# Altium PCB LED_12T-V1.2.PcbDoc
Units mm, origin at the board's own origin, x right, y up, seen from the top; angles counter-clockwise.
Board outline 152.4 x 101.6 mm, 2 copper layers (Top Layer, Bottom Layer); 37 components, 23 nets, 103 pads, 59 vias.
Unrouted connection lines stored in the file: 1.
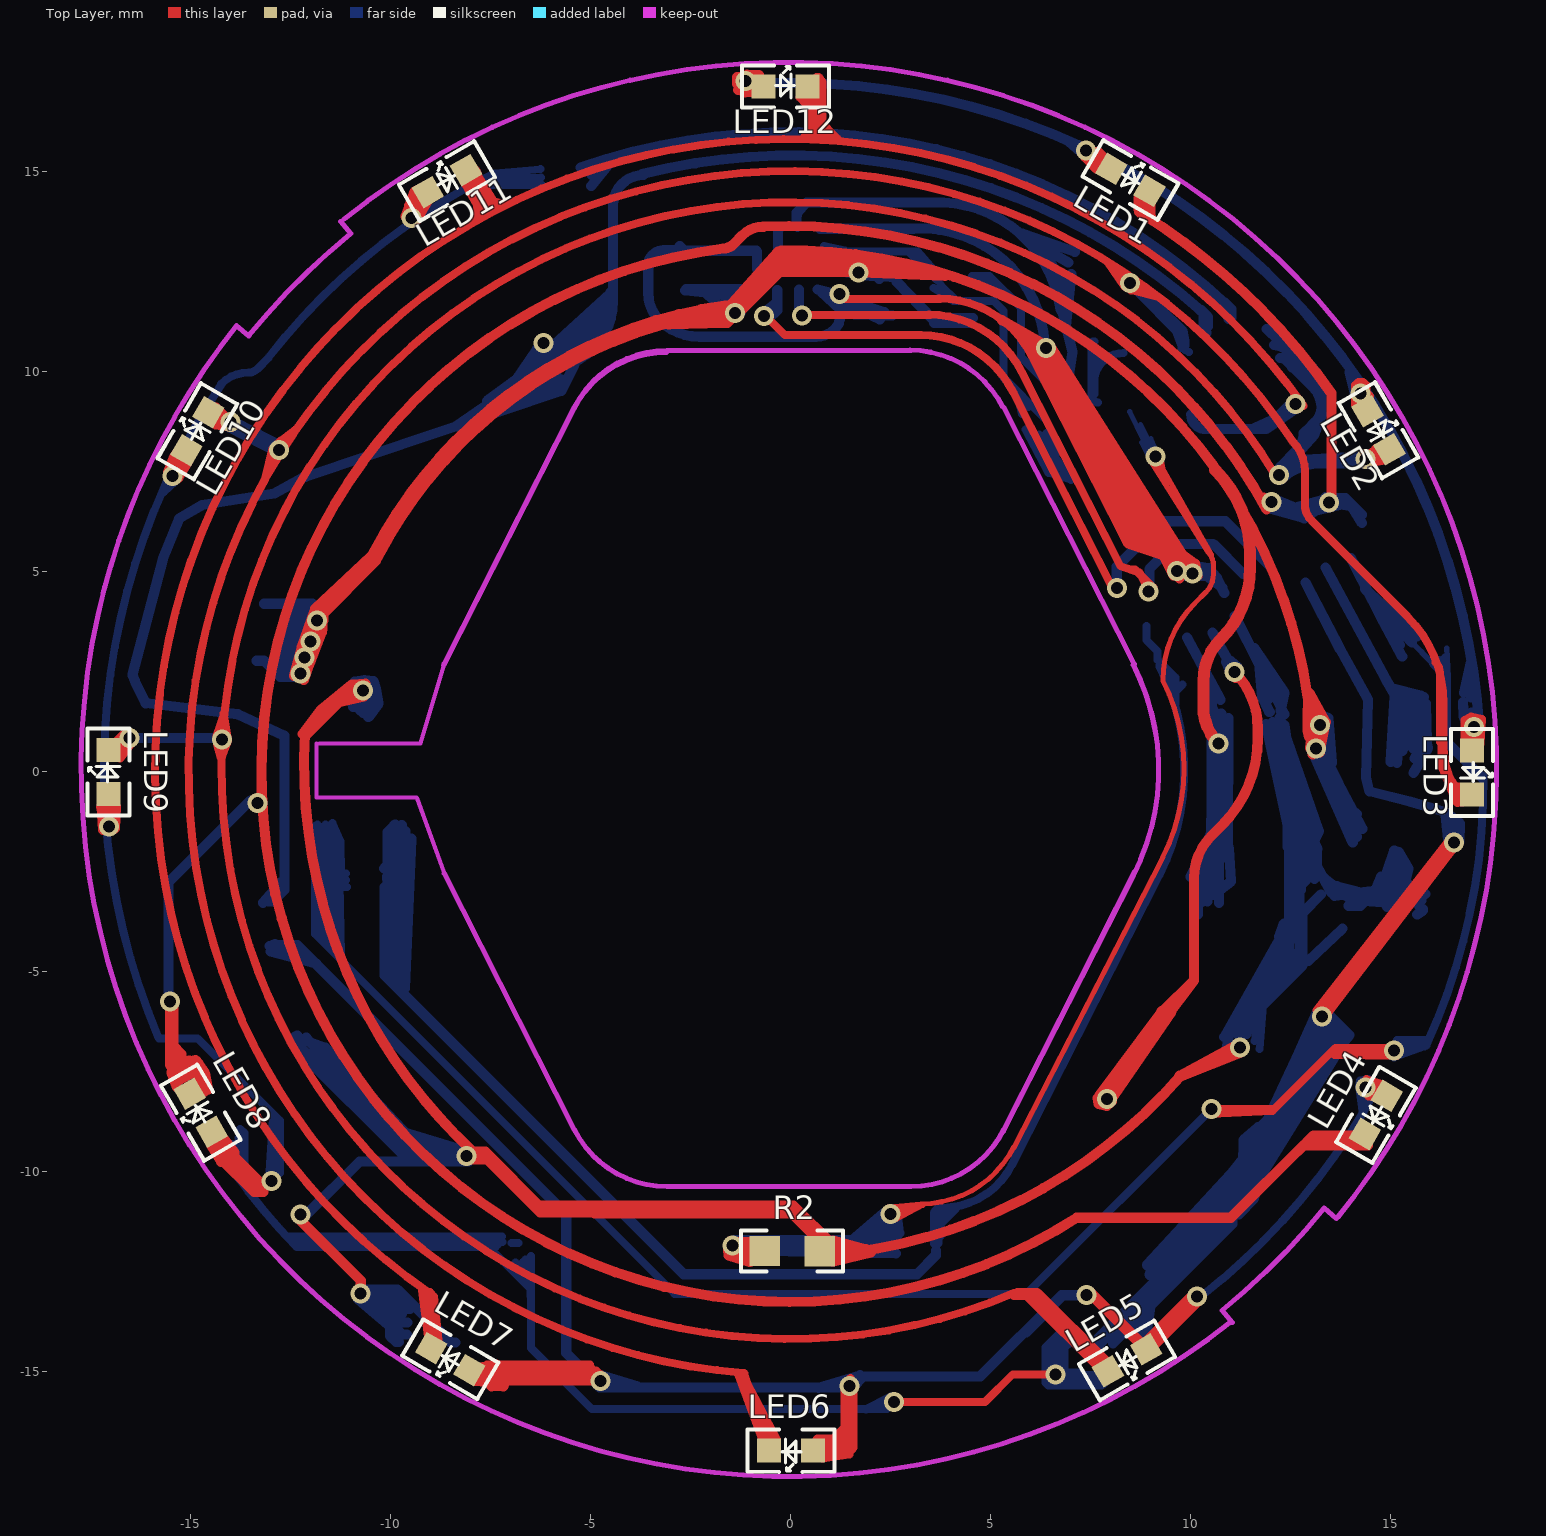
[diagram p0: Top Layer view]
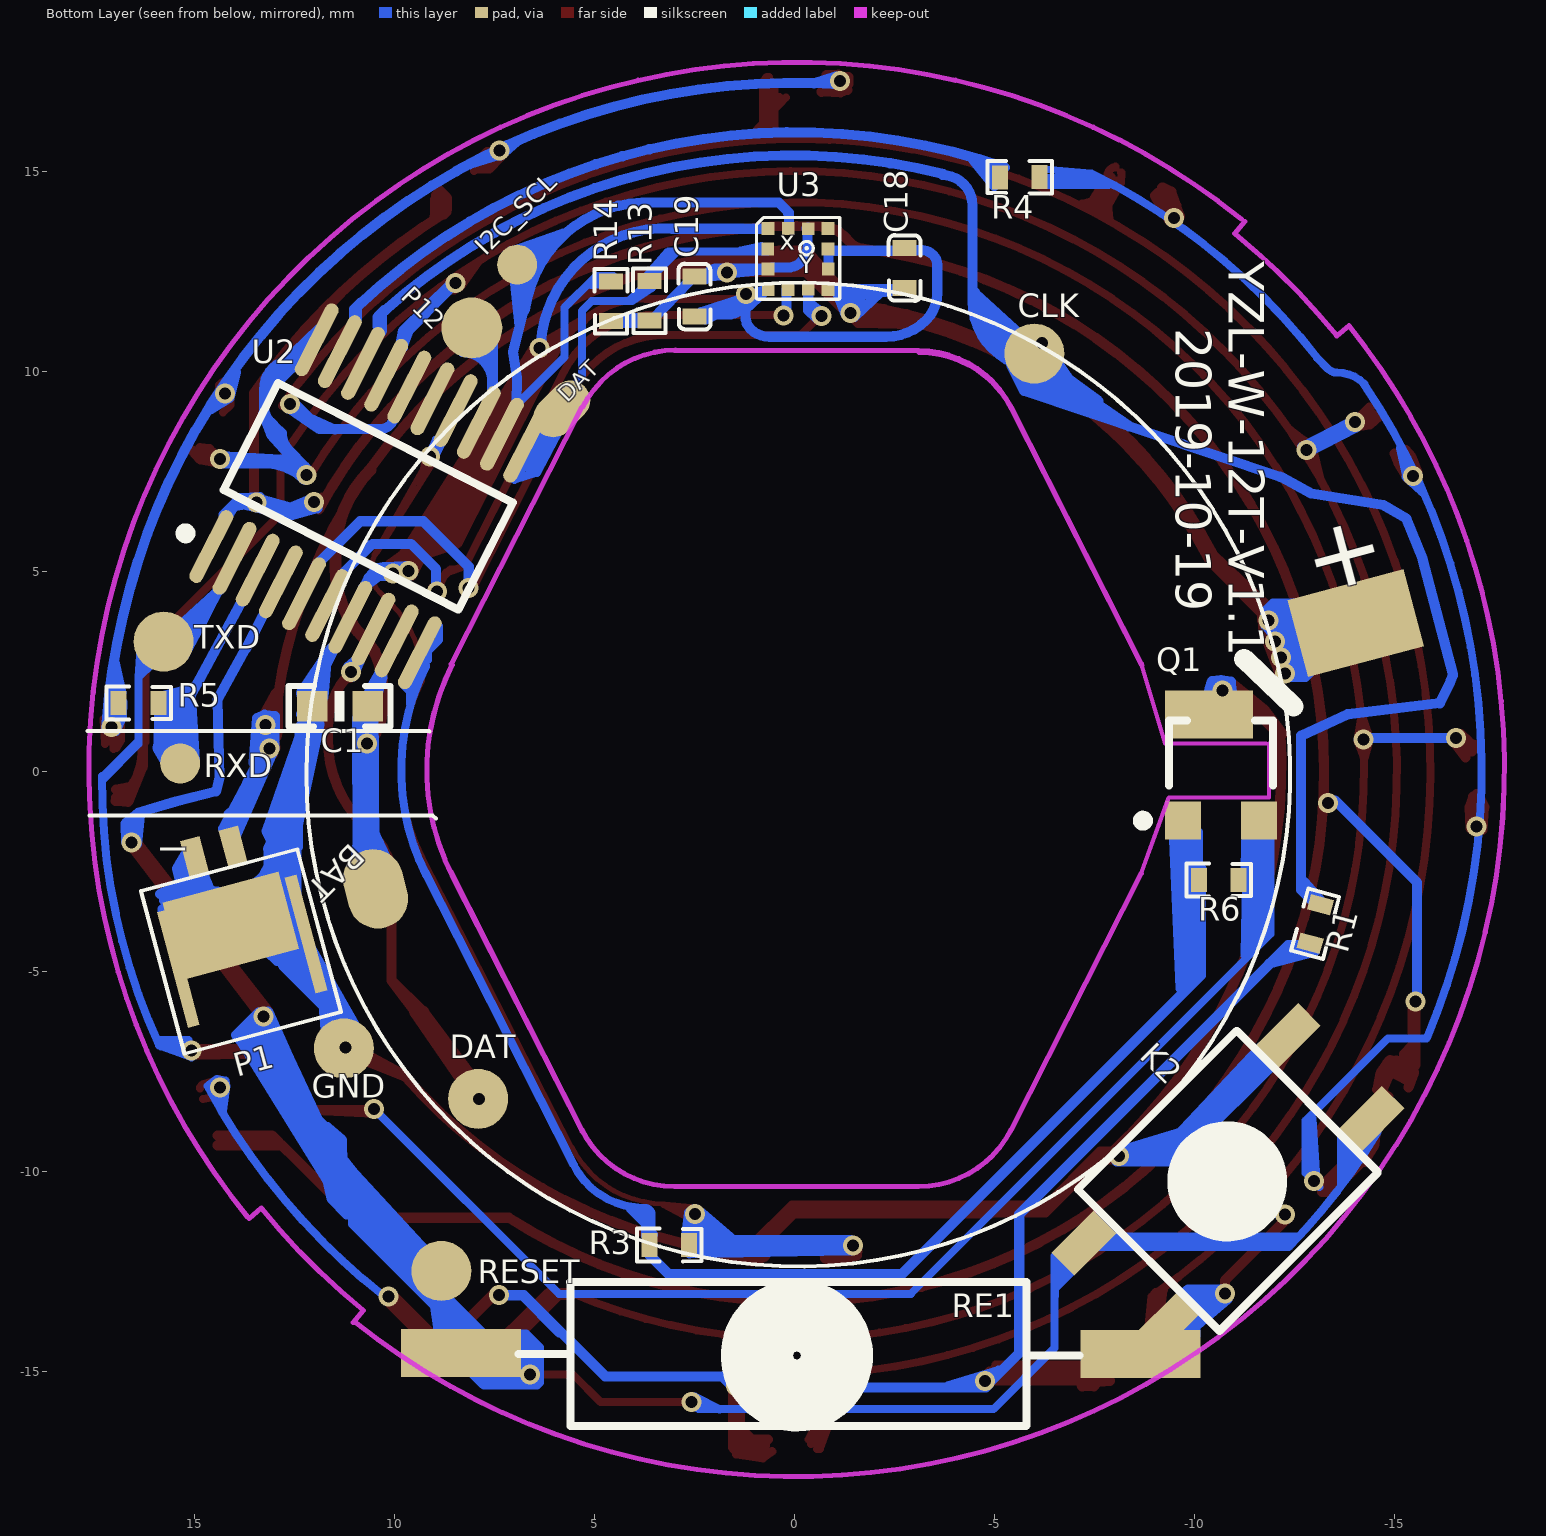
[diagram p1: Bottom Layer view, seen from below]

## Layer stack, top to bottom
Top Layer: signal copper 0.0356
Dielectric: dielectric 0.32, FR-4, Dk 4.8
Bottom Layer: signal copper 0.0356

## Board outline
-242.373,-165.35 -89.973,-165.35 -89.973,-63.75 -242.373,-63.75

## Design rules (kind name [scope] priority, off if disabled: settings)
Clearance [All] p1: gap=0.127
PolygonConnect [All] p1: connectstyle=Relief reliefconductorwidth=0.254 reliefentries=4 polygonreliefangle="90 Angle"
RoutingVias [All] p1: holewidth=0.3 width=0.5 viastyle="Through Hole" minholewidth=0.3 minwidth=0.5 maxholewidth=0.3 maxwidth=0.5
SilkscreenOverComponentPads [All] p1: minsilkscreentomaskgap=0.254
SolderMaskExpansion [All] p1: expansion=0.102
Width [All] p1: maxlimit=0.5 minlimit=0.127 preferedwidth=0.254
27 further rules are at their usual default settings.

## Components (designator, comment, footprint, x,y, rotation, side; value= is the part's Value field where it differs from the comment)
BAT "测试点" 测试点#1 10.514,-2.959 r315 bottom (schematic designator 3V3)
C1 "104" 0603P 11.376,1.641 r180 bottom
C18 "104" 0402_C -2.741,12.617 r90 bottom
C19 "104" 0402_C 2.492,11.865 r270 bottom
CLK "测试点" 测试点#2 -6.044,10.459 r180 bottom
DAT "测试点" 测试点#2 7.86,-8.173 r180 bottom
GND "测试点" 测试点#2 11.22,-6.909 r180 bottom
K2 "SW-02" 四向滚珠开关 -10.826,-10.214 r135 bottom
LED1 "LED" 0402_LED 8.498,14.779 r330 top
LED2 "LED" 0402_LED 14.689,8.52 r300 top
LED3 "LED" 0402_LED 17.02,-0.034 r270 top
LED4 "LED" 0402_LED 14.606,-8.584 r240 top
LED5 "LED" 0402_LED 8.382,-14.71 r210 top
LED6 "LED" 0402_LED -0.017,-16.957 r180 top
LED7 "LED" 0402_LED -8.525,-14.661 r150 top
LED8 "LED" 0402_LED -14.752,-8.496 r120 top
LED9 "LED" 0402_LED -17.047,0.017 r90 top
LED10 "LED" 0402_LED -14.817,8.526 r60 top
LED11 "LED" 0402_LED -8.575,14.768 r30 top
LED12 "LED" 0402_LED -0.116,17.123 r0 top (schematic designator LED11)
P1 "BAT" SH1.0-2P 14.996,-2.148 r165 bottom
P5 "BAT" CR2450 -0.013,-0.079 r165 bottom locked
Q1 "2N3904" SOT-23 -9.732,-1.209 r180 bottom locked
R1 "1K" 0402_R#1 -13.054,-3.783 r105 bottom
R2 "1K" 0603_R -0.036,-11.995 r0 top
R3 "100K" 0402_R#2 3.072,-11.842 r180 bottom
R4 "1K" 0402_R#1 -5.606,14.899 r0 bottom
R5 "1K" 0402_R#1 16.376,1.694 r180 bottom
R6 "1M" 0402_R#2 -10.665,-2.714 r180 bottom
R13 "4.7K" 0402_R#2 3.641,11.717 r270 bottom
R14 "4.7K" 0402_R#2 4.603,11.708 r270 bottom
RE1 "KEY_M" 滚珠开关12*3.6 -0.1,-14.566 r180 bottom
RESET "测试点" 测试点#2 8.781,-12.475 r180 bottom
RXD "测试点" 测试点#3 15.311,0.213 r180 bottom
TXD "测试点" 测试点#2 15.722,3.26 r180 bottom
U2 "N76E003" STSOP20 10.287,7.084 r297 bottom locked
U3 "SC7A21" LGA-12-2*2*1 -0.09,12.885 r180 bottom

## Footprints (in the part's own frame and the unit in brackets; to place one, negate y for a bottom-side part, rotate by r counter-clockwise, add the part's x,y. Pads: shape width x height; smd on the part's side, far side on the other; paste and mask are expansions set on the pad)
0402_C [mm]
  rect 0.4x0.6 smd: 1(-0.518,-0.008) 2(0.485,-0.01)
  silkscreen extent -0.84,-0.41 0.8,0.39
0402_LED [mm]
  rect 0.6x0.6 smd: 1(-0.568,0.013) 2(0.532,0.013)
  silkscreen extent -1.1,-0.51 1.07,0.54
0402_R#1 [mm]
  rect 0.4x0.6 smd: 1(-0.522,0.032) 2(0.472,0.033)
  silkscreen extent -0.83,-0.38 0.78,0.44
0402_R#2 [mm]
  rect 0.4x0.6 smd: 1(-0.558,0.013) 2(0.435,0.013)
  silkscreen extent -0.86,-0.4 0.75,0.42
0603_R [mil]
  rect 30x30 smd: 1(-24.45,0.72) 2(30.05,0.65)
  silkscreen extent -47,-19 53,21
0603P [mil]
  rect 30x30 smd: 1(-27,0) 2(27.5,-0.06)
  silkscreen extent -50,-20 50,20
CR2450 [mm]
  rect 3x2 smd: 1(-14.606,0.015) 2(14.524,0.042)
  silkscreen extent -12.22,-12.31 12.38,12.29
LGA-12-2*2*1 [mm]
  rect 0.32x0.32 smd: 1(-0.757,0.702) 2(-0.76,0.19) 3(-0.758,-0.308) 4(-0.751,-0.826) 5(-0.253,-0.826) 6(0.25,-0.82) 7(0.748,-0.826) 8(0.751,-0.314) 9(0.748,0.19) 10(0.748,0.699) 11(0.25,0.696) 12(-0.251,0.699)
  silkscreen extent -1.04,-1.07 1.04,0.97
SH1.0-2P [mm]
  rect 0.3x3 smd: 0(-1.11,-2.564) 0(2.193,-2.557)
  rect 0.5x1 smd: 1(0,0) 2(0.998,0)
  silkscreen extent -1.52,-4.66 2.53,-0.46
SOT-23 [mm]
  rect 0.9x0.95 smd: 1(-0.025,-0.011) 2(1.875,-0.011)
  rect 2.2x1.2 smd: 3(0.626,2.641)
  silkscreen extent -1.15,-0.14 2.23,2.49
STSOP20 [mm]
  oval 2x0.35 smd: 1(3.241,-3.17) 2(3.241,-2.52) 3(3.241,-1.87) 4(3.241,-1.22) 5(3.241,-0.57) 6(3.241,0.08) 7(3.241,0.73) 8(3.241,1.38) 9(3.241,2.03) 10(3.241,2.68) 11(-2.559,2.68) 12(-2.559,2.03) 13(-2.559,1.38) 14(-2.559,0.73) 15(-2.559,0.08) 16(-2.559,-0.57) 17(-2.559,-1.22) 18(-2.559,-1.87) 19(-2.559,-2.52) 20(-2.559,-3.17)
  silkscreen extent -1.16,-4.02 3.37,3.06
四向滚珠开关 [mm]
  rect 1.5x0.8 smd: 1(-3.629,-1.47) 2(3.651,-1.454) 3(3.635,1.492) 4(-3.645,1.435)
  silkscreen extent -2.81,-2.52 2.81,2.49
测试点#1 [mm]
  oval 1.5x2 smd rot 150: 1(-0.051,0)
测试点#2 [mm]
  round 1.5 smd: 1(-0.051,0)
测试点#3 [mm]
  round 1 smd: 1(-0.051,0)
滚珠开关12*3.6 [mm]
  rect 3x1.2 smd: 1(-8.442,0.034) 2(8.549,0.015)
  silkscreen extent -7.01,-1.79 7.02,1.82

## Part data
C18 C19: library part Cap, "Capacit"
P1 P5: library part "Header 2", "Header, 2-P"
Q1: "NPN General Purpose Amplifi"
U2: library part N76
U3: library part SC

## Free pads (board coordinates)
  oval 1x1.6 smd far side rot 45: 0(5.82,9.076)
  round 1 smd far side: 0(6.935,12.681)
  round 1.524 smd far side: 0(8.071,11.1)

## Via types
v1: diameter 0.5, hole 0.3, Top Layer to Bottom Layer, 59 vias

## Nets (pads, with @x,y where several pads share a name; then routed paths per layer and width w, separated by ;. In a path a pad name is that pad's centre, name@x,y a point inside that pad or via, vN(x,y) a via of type N, cw(c..) or ccw(c..) an arc to the next point about the centre after c; other vN are vias at no path point)
BAT: BAT.1 C1.2 C18.1 C19.1 P1.2 P5.2 R13.2 R14.2 U2.9 U3.3 U3.7 U3.11 | length 129.6
  Top Layer w0.254: v1@-12.421,2.404 -12.227,3.121 v1@-11.909,4.01 ; v1@-12.179,2.296 -12.012,2.754 -11.726,3.492 ; v1@-12.018,3.456 -11.684,3.791 -11.684,4.155 ; v1@-11.95,3.23 -11.95,3.329 -11.714,3.565 v1@-11.714,3.752 ; -11.89,4.079 -10.501,5.389 ; v1@-11.861,3.781 -11.861,4.096 ; v1@-11.76,3.879 -10.38,5.277 ; v1@-11.756,3.999 -11.709,3.999 ; -1.587,11.222 v1@-1.302,11.507 ; v1@-1.561,11.607 -0.329,12.995 -0.324,13.01 ; v1@-1.44,11.567 -0.198,12.869 1.674,12.793 ; v1@-1.287,11.496 -0.279,12.504 v1@1.686,12.504 ; -0.491,12.738 1.896,12.627 ; -0.243,13.033 cw(c-0.009,-0.034) 12.919,1.881 ; v1@1.521,12.495 v1@1.528,12.488 ; v1@1.589,12.475 1.619,12.945 ; v1@1.634,12.652 1.639,12.642 3.86,12.425 ; v1@1.684,12.491 3.85,12.395 ; 1.72,12.763 3.405,12.496 ; 12.923,1.553 12.923,1.027 ccw(c13.247,1.027) 13.018,0.798 cw(c12.89,0.67) 13.071,0.67 v1@13.071,0.602 ; 12.924,1.606 12.924,1.911 ; 12.969,1.968 13.37,1.251 v1@13.22,0.483 ; v1@12.983,0.6 13.023,0.992 ; 12.983,1.858 12.966,1.842 v1@13.162,0.674 ; v1@13.048,0.437 v1@13.064,0.453
  Top Layer w0.3: 10.609,7.552 cw(c8.497,5.44) 11.483,5.44 11.483,5.101 cw(c8.953,5.101) 10.742,3.312 ccw(c11.786,2.268) 10.31,2.268 10.31,1.627 ccw(c11.61,1.627) v1(10.691,0.708)
  Top Layer w0.4: -10.397,5.398 cw(c-0.022,0.016) -1.638,11.591 ; -3.043,11.264 -1.623,11.293
  Bottom Layer w0.254: P5.2@-13.356,2.778 -13.169,2.778 -12.766,2.375 v1@-12.313,2.375 ; P5.2@-13.169,4.204 -11.959,4.204 -11.773,4.017 -11.773,3.653 v1@-11.969,3.456 ; P5.2@-12.736,3.142 -12.717,3.122 -12.717,2.463 ; -12.579,2.453 -12.579,3.82 -12.284,4.115 ; v1@-12.402,2.532 -12.402,3.348 v1@-11.91,3.84 ; -12.294,3.938 -12.215,3.86 -12.215,3.712 ; v1@-12.274,2.906 -12.274,3.215 ; -12.158,3.867 -11.969,4.056 -11.93,4.056 ; -12.117,4.007 -12.117,4.025 ; C18.1@-2.643,12.037 -1.687,11.939 v1@-1.429,11.45 ; C18.1@-2.605,12.054 -2.626,12.075 U3.7@-0.819,12.075 ; -2.128,11.983 v1@-1.499,11.381 ; -1.43,11.974 cw(c-1.633,11.772) -1.346,11.772 v1@-1.346,11.462 ; v1@-1.291,11.473 -1.233,11.947 ; v1@-1.264,11.457 -1.072,11.939 ; U3.11@-0.335,13.614 ccw(c-0.297,13.614) U3.11@-0.297,13.576 ; U3.11@-0.297,13.594 ccw(c-0.297,13.568) -0.324,13.568 -0.324,13.12 ccw(c0.188,13.12) 0.188,12.608 U3.3@0.567,12.608 ; U3.3@0.683,12.586 1.946,12.586 cw(c1.946,12.324) C19.1@2.208,12.324 ; U3.3@0.811,12.544 v1@1.717,12.454 ; v1@1.701,12.418 C19.1@2.488,12.376 ; C19.1@2.646,12.255 R13.2@3.549,11.317 ; R13.2@3.526,11.351 R14.2@4.548,11.347 ; R13.2@3.575,11.227 R14.2@4.485,11.227 ; U2.9@9.901,3.362 10.524,2.199 10.521,-0.388 10.507,-1.914 ; BAT.1@9.997,-2.618 10.48,-1.579 ; BAT.1@10.173,-3.557 10.148,-2.65 BAT.1@10.299,-2.096 ; BAT.1@10.27,-3.255 10.27,-2.767 BAT.1@10.409,-2.629 ; U2.9@10.299,2.379 10.55,1.55 C1.2@10.565,1.55 ; BAT.1@10.417,-3.239 10.417,-2.125 10.652,-1.889 ; 10.489,2.266 C1.2@10.74,1.806 ; BAT.1@10.575,-3.07 11.005,-2.734 10.953,-1.915 ; BAT.1@10.579,-2.995 10.579,-2.109 BAT.1@10.661,-2.028 ; BAT.1@10.701,-3.279 10.701,-1.711 10.782,-1.629 ; 10.744,-1.704 C1.2@10.761,1.462 ; 10.867,-1.352 10.957,-1.973 ; BAT.1@10.87,-2.132 10.929,-1.973 C1.2@10.937,1.344 ; v1@13.011,0.58 12.998,1.395 13.252,1.428 13.435,1.35 13.526,0.228 ; v1@13.061,0.464 P1.2@14.045,-1.767 ; v1@13.069,0.562 v1@13.184,1.129 ; v1@13.084,0.548 v1@13.091,1.115 ; v1@13.091,0.459 P1.2@14.146,-1.62 ; v1@13.217,0.601 14.293,-1.421 ; v1@13.228,0.666 14.188,-1.306 ; v1@13.342,1.172 13.349,0.419 ; 13.846,-0.789 14.146,-1.052
  other v1: 13.13,0.584 13.223,1.179 -12.254,2.463 -12.156,2.866 -12.008,3.26 -11.851,3.791 -1.396,11.479 1.686,12.487
COM1: LED1.2 LED4.2 LED8.2 U2.1 | length 105.5
  Top Layer w0.254: v1@-15.55,-5.718 -15.526,-5.741 -15.526,-7.324 -15.228,-7.622 ; v1@-15.502,-5.789 -15.502,-7.181 -15.205,-7.479 -15.205,-7.598 ; v1@-15.443,-5.777 -15.443,-6.848 -15.24,-7.05 -15.24,-7.431 ; LED8.2@-15.348,-7.884 -15.487,-7.5 -15.039,-7.222 -14.882,-7.203 -14.799,-7.298 -14.648,-7.537 -14.566,-7.935 LED8.2@-14.85,-8.116 ; -15.342,-7.733 -14.844,-7.462 ; -15.338,-7.559 -14.926,-7.323 ; -14.85,-7.588 -14.717,-7.903 ; -0.693,13.631 ccw(c-0.693,12.895) -1.213,13.415 -1.435,13.193 cw(c-1.695,13.453) -1.695,13.085 ccw(c-0.016,-0.029) 7.142,-11.145 11.001,-11.145 12.814,-9.331 LED4.2@14.427,-9.331 ; -0.676,13.634 cw(c-0.071,0.003) v1@11.894,6.563 ; 8.689,14.067 8.689,14.352 LED1.2@8.916,14.579 ; 8.704,14.001 cw(c0.056,0.009) 13.512,9.469 13.512,6.885 cw(c13.31,6.885) v1(13.453,6.742) ; 8.765,13.939 ccw(c8.28,14.424) LED1.2@8.966,14.424 ; LED1.2@8.893,14.401 8.897,14.401 8.991,14.307 8.991,13.889 8.997,13.882 ; v1@11.819,6.859 v1@11.823,6.851 ; 12.685,-9.475 13.074,-9.086 LED4.2@14.427,-9.086
  Bottom Layer w0.254: v1@-15.562,-5.777 -15.562,-2.765 v1@-13.508,-0.711 ; v1@11.93,6.592 12.833,6.344 13.14,6.539 13.763,6.687 14.022,6.634 U2.1@14.275,6.222 ; v1@12.035,6.845 12.616,6.608 v1@13.375,6.821 ; 12.711,6.519 12.919,6.596 ; v1@13.363,6.875 13.861,6.845 U2.1@14.27,6.43
  other v1: -15.517,-5.74 -13.33,-0.771 12.017,6.743
COM2: LED2.2 LED5.2 LED9.2 U2.20 | length 94.2
  Top Layer w0.2: v1@-14.365,0.884 -14.154,1.495 ; v1@-14.352,0.711 -14.249,0.345 ; -14.236,0.332 -14.077,0.767 v1@-14.085,0.767 ; -14.189,1.457 v1@-14.068,0.802 ; 5.587,-13.022 cw(c-0.023,0.033) v1@12.131,7.393
  Top Layer w0.25: LED9.2@-17.064,0.664 ccw(c-17.064,0.966) -16.85,0.753 v1@-16.654,0.949 ; LED9.2@-17.057,0.664 ccw(c-17.057,1.251) -16.642,0.836 v1@-16.633,0.845 ; LED9.2@-16.939,0.512 ccw(c-16.939,0.981) -16.607,0.649 v1@-16.495,0.762 ; LED9.2@-16.77,0.362 v1@-16.438,0.81 ; 5.576,-13.071 5.897,-13.071 7.825,-14.999 LED5.2@7.896,-14.999 ; 5.671,-13.023 6.159,-13.023 LED5.2@7.932,-14.797 ; v1@14.31,7.769 cw(c14.936,7.143) LED2.2@14.936,8.028 ; v1@14.36,7.727 14.854,7.807 15.051,8.033 LED2.2@15.072,8.051 ; v1@14.372,7.833 14.634,8.069 LED2.2@14.86,8.101
  Bottom Layer w0.25: v1@-16.529,0.852 -14.193,0.852 cw(c-14.193,0.828) v1@-14.176,0.845 ; U2.20@11.888,11.077 12.808,10.201 cw(c12.789,10.201) 12.789,10.182 ; U2.20@12.073,10.668 cw(c12.073,10.208) 12.533,10.208 12.533,10.112 ; U2.20@12.231,10.346 cw(c12.231,10.122) 12.389,10.28 13.046,9.624 cw(c12.531,9.109) 13.26,9.109 cw(c12.755,9.109) 13.112,8.752 12.892,8.532 cw(c12.865,8.558) 12.865,8.521 ; v1@12.296,7.574 12.848,7.805 v1@14.335,7.894 ; 12.444,7.71 13.091,8.44 13.292,8.943 ; 12.514,10.316 cw(c12.514,9.562) 13.268,9.562 13.268,9.006 ; 12.725,10.106 12.763,10.106 cw(c12.763,9.697) 13.172,9.697 ; 12.82,8.478 cw(c12.192,8.478) 12.636,8.034 12.254,7.652 ccw(c12.482,7.424) 12.159,7.424 ccw(c12.176,7.424) 12.164,7.412 12.265,7.311 cw(c13.215,6.361) 13.215,7.705 v1@14.31,7.705 ; 12.872,9.959 12.872,9.869 ccw(c12.955,9.869) 12.955,9.786
  other v1: -14.225,0.81 -16.529,0.845 12.207,7.429 14.367,7.826
COM3: LED3.2 LED6.2 LED10.2 U2.17 | length 96.4
  Top Layer w0.2: LED10.2@-14.636,8.877 -14.615,8.866 -14.386,8.658 v1@-13.979,8.595 ; -13.133,7.361 v1@-12.965,8.08 ; v1@-12.905,7.927 v1@-12.894,7.844 ; v1@-12.853,8.192 -12.374,8.567 ; -1.316,-15.064 LED6.2@-0.629,-16.931 ; -1.226,-15.043 LED6.2@-0.351,-16.695 ; -1.177,-15.024 cw(c-0.013,-0.025) 12.543,8.263 cw(c11.806,7.526) 12.848,7.526 12.848,6.692 ccw(c13.424,6.692) 13.017,6.285 15.419,3.883 cw(c13.251,1.715) 16.317,1.715 16.317,1.082 ; -1.163,-15.043 LED6.2@-0.559,-16.931 ; -0.601,-16.431 LED6.2@-0.407,-16.806 ; 7.905,12.762 v1@8.35,12.126 ; v1@8.504,12.049 8.504,12.041 9.197,11.871 ; v1@8.638,12.159 8.727,12.049 ; 16.117,2.742 cw(c15.862,2.488) 16.222,2.488 16.222,0.753 ; 16.271,0.943 16.271,0.146 ccw(c16.367,0.146) 16.299,0.078 ; 16.321,1.104 16.321,0.046 ccw(c16.345,0.046) 16.328,0.029
  Top Layer w0.25: LED10.2@-14.469,8.927 ccw(c-14.045,9.35) -14.045,8.751 v1@-13.996,8.751 ; LED10.2@-14.385,9.11 cw(c-14.385,9.091) -14.372,9.104 v1@-14.133,8.865 ; v1@-12.853,8.146 -12.78,8.219 v1@-12.743,8.256 ; 16.307,0.497 ccw(c17.79,0.497) 16.741,-0.551 ccw(c16.962,-0.331) LED3.2@16.962,-0.643 ; 16.324,0.09 16.662,-0.748 16.955,-0.73 LED3.2@16.977,-0.73 ; 16.685,-0.386 16.966,-0.438 LED3.2@16.972,-0.438
  Bottom Layer w0.2: v1@-14.046,8.587 v1@-12.79,7.939 ; v1@-13.868,8.759 v1@-12.658,8.134 ; v1@8.488,12.192 8.488,12.167 9.869,10.786 U2.17@9.869,10.665 ; v1@8.61,12.225 9.814,11.036 9.857,10.83 cw(c9.825,10.83) U2.17@9.825,10.799 ; 9.564,11.205 U2.17@9.762,10.664 ; U2.17@9.767,10.614 ccw(c9.788,10.614) U2.17@9.788,10.593 ; U2.17@9.848,10.551 U2.17@9.848,10.665 ; U2.17@9.939,10.498 U2.17@9.952,10.498
  Bottom Layer w0.25: v1@-13.95,8.736 -13.735,8.52 ccw(c-12.836,9.42) -12.836,8.148 cw(c-12.817,8.148) v1@-12.83,8.161
  other v1: -12.793,8.053 -14.011,8.743 8.473,12.225
COM4: LED7.2 LED11.2 LED12.2 U2.16 | length 77.7
  Top Layer w0.2: -9.228,-12.954 LED7.2@-9.039,-14.399 ; -9.046,-13.018 cw(c-0.084,0.011) v1@12.819,9.153 ; -9.033,-13.03 LED7.2@-9.014,-14.443 ; -9.026,-13.004 -8.925,-13.118 LED7.2@-8.799,-14.329 ; LED11.2@-8.161,14.989 -8.167,14.989 -8.158,14.721 -7.724,13.947 -7.727,13.96 ; LED11.2@-8.057,14.782 -7.604,13.995 ; LED11.2@-8.028,15.132 -8.028,15.116 cw(c-8.028,14.912) -7.824,14.912 -7.351,14.128 ; LED11.2@-7.928,14.892 -7.448,14.054 ; -7.873,13.82 -7.821,14.313 ; -7.74,14.368 -7.186,14.206 ; LED12.2@0.212,16.866 0.582,16.489 ; 0.329,15.869 0.654,16.304 ; LED12.2@0.384,16.878 0.397,16.866 0.531,16.687 ; 0.493,15.839 ccw(c0.493,15.852) 0.506,15.852 0.506,17.226 cw(c0.519,17.226) 0.519,17.239 ccw(c0.519,17.361) 0.641,17.361 cw(c0.654,17.361) 0.654,17.374 LED12.2@0.661,17.374 ; LED12.2@0.68,17.368 cw(c0.68,17.323) 0.725,17.323 0.725,17.297 cw(c0.719,17.297) 0.719,17.291 cw(c0.719,17.213) 0.796,17.213 0.796,15.826 ccw(c0.822,15.826) 0.822,15.8 ; 0.701,16.436 0.701,16.299 1.159,15.84 ; LED12.2@0.706,17.31 ccw(c0.706,17.303) 0.699,17.303 0.699,15.839 ccw(c0.719,15.839) 0.719,15.82 ; 0.709,16.287 0.709,16.169 1.03,15.848
  Bottom Layer w0.25: U2.16@10.007,8.93 ccw(c10.366,8.93) 10.366,8.571 11.854,8.571 v1@12.553,9.27 ; 11.496,8.564 v1@12.664,9.089 ; 11.88,8.568 12.686,9.115 v1@12.707,9.21
  other v1: 12.61,9.202
GET1: R5.2 RXD.1 U2.3 | length 15.5
  Bottom Layer w0.254: U2.3@13.366,5.114 14.865,2.332 15.136,1.857 R5.2@15.741,1.543 ; RXD.1@14.995,0.256 15.087,1.887 ; 15.054,2.082 15.745,1.911 R5.2@15.828,1.874 ; RXD.1@15.154,0.226 15.307,1.795 15.307,1.808 ; RXD.1@15.295,0.531 15.435,1.038 15.435,1.063 ; 15.319,1.768 RXD.1@15.556,0.583 ; 15.342,1.92 R5.2@15.8,1.73 ; 15.499,1.711 RXD.1@15.679,0.568 ; RXD.1@15.563,-0.025 15.931,0.595 15.783,1.18 ; RXD.1@15.594,0.336 15.814,0.733 ; R5.2@15.725,1.761 15.78,0.798 ; R5.2@15.881,1.707 15.902,0.751